# Allegro board Try it by yourself - iMX6Rex module - DIFF Pair activities.brd (continued)
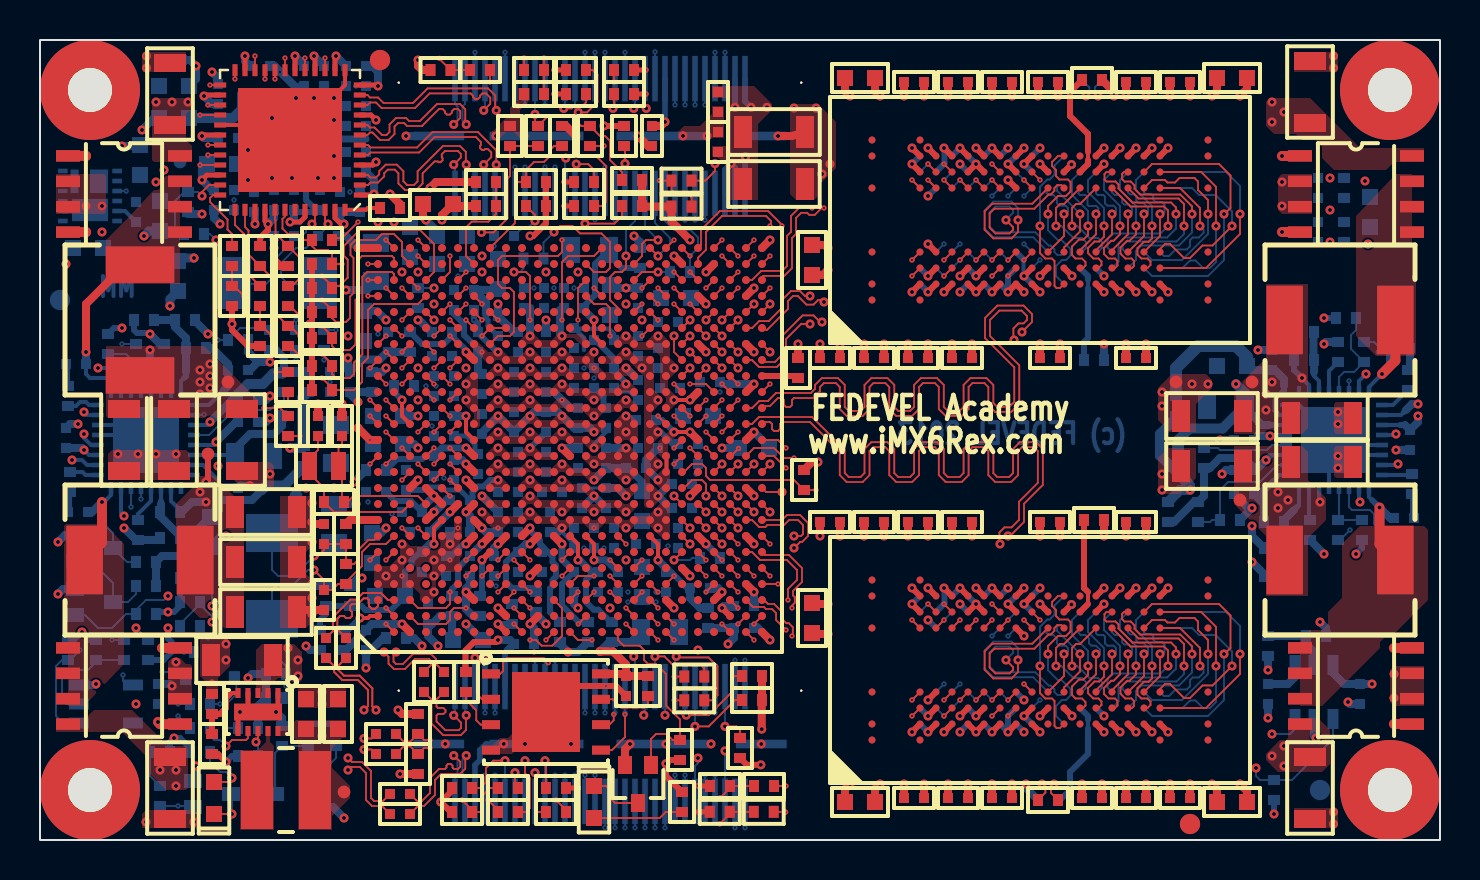
[diagram p0: board, top side]
## Routing (per net, layer and track width the routed paths; a pad name or vN(x,y) marks a point on that pad's centre or on a via; arc(x,y) is an arc through that point) (continued)
DRAM_D24: length 19.9
  TOP w0.093: U1.AE9 v1(36.5,16.4)
  L10 w0.08: v1(36.5,16.4) 36.5,16.3 36.21,16.01 36.21,15.1 36.38,14.93 36.38,14.15 36.67,13.86 36.67,12.49 41.23,7.94 41.43,7.94 41.65,8.16 41.9,8.16 42.05,8.01 42.05,7.76 41.9,7.61 41.9,7.35 42.05,7.2 42.3,7.2 42.65,7.55 42.91,7.55 43.06,7.4 43.06,7.02 43.18,6.9 43.77,6.9 44.24,7.38 44.56,7.38 45.03,6.9 45.9,6.9 v5(46.4,7.4)
  L11 w0.1: v5(46.4,7.4) v6(46.8,7)
  BOTTOM w0.093: v6(46.8,7) v5(46.4,7.4)
DRAM_D25: length 19.9
  TOP w0.093: v1(33.3,17.2) 33.3,17.8 33.1,18 32.6,18 32.2,17.6 U1.Y10
  L10 w0.08: v5(43.2,6.6) 42.86,6.94 41.9,6.94 36.47,12.36 36.47,12.72 36.38,12.81 36.38,13.8 36.18,14 36.18,14.85 35.91,15.12 35.91,16.08 36.1,16.27 36.1,16.53 35.83,16.8 33.97,16.8 33.57,17.2 v1(33.3,17.2)
  L11 w0.1: v5(43.2,6.6) v6(43.6,7)
  BOTTOM w0.093: v6(43.6,7) U3.A7
DRAM_D26: length 19.8
  TOP w0.093: U1.AE11 v1(36.5,18.8)
  L10 w0.08: v1(36.5,18.8) 36.92,18.8 37.02,18.7 38.29,18.7 38.66,18.33 38.81,18.33 39.28,17.86 39.28,17.54 39,17.27 39,16.5 39.15,16.35 39.4,16.35 39.55,16.5 39.55,17.17 39.7,17.32 39.95,17.32 40.1,17.17 40.1,16.8 40.25,16.65 40.5,16.65 40.65,16.8 40.65,17.07 40.8,17.22 41.05,17.22 42.77,15.49 42.77,14.89 44.1,13.56 44.1,13.43 44.82,12.71 44.82,12.44 45.31,11.95 45.31,11.28 45.48,11.12 45.88,11.12 46.1,10.9 46.1,10.52 45.98,10.4 45.7,10.4 45.6,10.5 v5(45.6,10.6)
  L11 w0.1: v6(46,11) v5(45.6,10.6)
  BOTTOM w0.093: v6(46,11) v5(45.6,10.6)
DRAM_D27: length 19.8
  TOP w0.093: U1.AB11 v1(34.1,18.8)
  L10 w0.08: v5(45.6,11.4) 45.6,11.93 45.78,12.12 45.78,12.28 45.6,12.47 45.6,12.73 45.8,12.93 45.8,13.2 45.65,13.35 45.35,13.35 45.05,13.05 44.78,13.05 44.63,13.2 44.63,13.47 44.95,13.79 44.95,14.06 44.8,14.21 44.53,14.21 44.32,14 44.07,14 43.02,15.04 43.02,15.58 41,17.6 40.75,17.6 40.64,17.49 40.29,17.49 40.18,17.6 39.9,17.6 38.97,18.52 38.74,18.52 38.37,18.9 37.1,18.9 36.82,19.18 34.74,19.18 34.37,18.8 v1(34.1,18.8)
  L11 w0.1: v6(45.2,11) v5(45.6,11.4)
  BOTTOM w0.093: v6(45.2,11) v5(45.6,11.4)
DRAM_D28: length 19.8
  TOP w0.093: U1.AC9 v1(34.9,16.4)
  L10 w0.08: v5(45.6,6.6) 44.77,5.78 41.12,5.78 40.4,6.5 40.4,7.75 36.07,12.08 36.07,12.56 35.8,12.83 35.8,13.7 35.12,14.38 35.12,15.04 35.28,15.19 35.28,16.03 v1(34.9,16.4)
  L11 w0.1: v5(45.6,6.6) v6(46,7)
  BOTTOM w0.093: v5(45.6,6.6) v6(46,7)
DRAM_D29: length 19.8
  TOP w0.093: U1.AD9 v1(35.7,16.4)
  L10 w0.08: v1(35.7,16.4) 35.7,16.2 35.6,16.1 35.6,15.23 35.32,14.96 35.32,14.58 36.09,13.81 36.09,12.82 36.28,12.64 36.28,12.23 40.7,7.8 40.7,6.53 40.93,6.3 41.15,6.3 41.55,6.7 41.8,6.7 41.95,6.55 41.95,6.15 42.1,6 42.35,6 42.5,6.15 42.5,6.3 42.65,6.45 42.9,6.45 43.05,6.3 43.05,6.15 43.2,6 43.75,6 43.9,6.15 43.9,6.5 44,6.6 v5(44.8,6.6)
  L11 w0.1: v5(44.8,6.6) v6(45.2,6.2)
  BOTTOM w0.093: v5(44.8,6.6) v6(45.2,6.2)
DRAM_D30: length 19.8
  TOP w0.093: U1.AD11 v1(35.7,18.8)
  L10 w0.08: v5(44,11.4) 44.9,11.4 45.05,11.55 45.05,11.85 44.9,12 44.1,12 43.97,12.13 43.97,12.76 43.6,13.13 43.6,13.7 43.1,14.2 42,14.2 41.85,14.35 41.85,14.65 42,14.8 42.4,14.8 42.57,14.98 42.57,15.36 41.18,16.75 40.95,16.75 40.6,16.4 40.1,16.4 39.8,16.1 38.98,16.1 38.52,16.56 38.52,17.03 38.22,17.33 38.22,17.58 38.52,17.87 38.52,18.12 38.24,18.4 38,18.4 37.7,18.1 37.46,18.1 37.13,18.43 36.34,18.43 35.97,18.8 v1(35.7,18.8)
  L11 w0.1: v5(44,11.4) v6(44.4,11.8)
  BOTTOM w0.093: v5(44,11.4) v6(44.4,11.8)
DRAM_D31: length 19.8
  TOP w0.093: U1.AC11 v1(34.9,18.8)
  L10 w0.08: v5(44,10.6) 44,10.87 43.22,11.64 43.22,12.8 43.3,12.88 43.3,13.6 43.15,13.75 42.85,13.75 42.7,13.6 42.7,13.2 42.55,13.05 42.25,13.05 42.1,13.2 42.1,13.7 41.6,14.2 41.6,14.5 41.28,14.83 40.79,14.83 40.6,15.02 40.6,15.4 40.77,15.58 41.47,15.58 41.63,15.73 41.63,15.98 41.47,16.13 40.42,16.13 40.14,15.84 38.86,15.84 38.2,16.5 38.2,17 37,18.2 36.29,18.2 36.06,18.43 35.54,18.43 35.17,18.8 v1(34.9,18.8)
  L11 w0.1: v6(43.6,11) v5(44,10.6)
  BOTTOM w0.093: v6(43.6,11) v5(44,10.6)
DRAM_D32: length 31.9
  TOP w0.093: U1.AA17 v1(33.3,23.6)
  L10 w0.08: v5(47.2,32.6) 46.8,32.6 46.37,33.03 46.37,33.96 46.16,34.18 45.84,34.18 45.57,33.9 44.57,33.9 43.97,34.49 43.97,34.89 43.81,35.05 43.17,35.05 43.02,34.9 43.02,34.55 42.87,34.4 39.8,34.4 39.68,34.52 39.68,34.73 39.53,34.88 39.28,34.88 39.13,34.73 39.13,33.9 38.98,33.75 38.73,33.75 38.58,33.9 38.23,33.9 33.72,29.4 33.72,27.93 33.5,27.7 33.3,27.7 32.72,28.28 32.52,28.28 32.37,28.13 32.37,27.93 33.02,27.28 33.02,27.13 32.8,26.9 32.6,26.9 31.97,27.53 31.77,27.53 31.62,27.38 31.62,27.18 32.23,26.57 32.23,26.37 32.07,26.21 32.07,25.09 32.34,24.83 32.61,24.83 32.87,24.56 32.87,24.03 v1(33.3,23.6)
  L11 w0.1: v5(47.2,32.6) v6(47.6,33)
  BOTTOM w0.093: v5(47.2,32.6) v6(47.6,33)
DRAM_D33: length 31.9
  TOP w0.093: v1(32.5,24.4) U1.AA18
  L10 w0.08: v5(48.8,33.4) 48.8,34 48.57,34.22 47.44,34.22 47.22,34.44 47.22,34.76 47.44,34.98 48.56,34.98 48.7,35.12 48.7,35.45 48.55,35.6 45.6,35.6 45.3,35.3 45,35.3 44.7,35.6 39.1,35.6 31.2,27.7 31.2,26.5 31.3,26.4 31.3,24.7 31.8,24.2 32.3,24.2 v1(32.5,24.4)
  L11 w0.1: v5(48.8,33.4) v6(49.2,33)
  BOTTOM w0.093: v6(49.2,33) v5(48.8,33.4)
DRAM_D34: length 31.9
  TOP w0.093: U1.AC18 v1(34.9,23.6)
  L10 w0.08: v1(34.9,23.6) 34.52,23.22 34.02,23.22 33.68,22.89 33.68,21.7 33.88,21.5 36.6,21.5 37.1,21 37.3,21 37.5,21.2 37.5,21.8 37.65,21.95 37.95,21.95 38.1,21.8 38.1,21.1 38.25,20.95 38.55,20.95 38.7,21.1 38.7,22 38.85,22.15 39.15,22.15 39.3,22 39.3,21.1 39.45,20.95 39.75,20.95 39.9,21.1 39.9,22 40.05,22.15 40.35,22.15 40.5,22 40.5,21.1 40.65,20.95 40.95,20.95 41.1,21.1 41.1,22 41.25,22.15 41.55,22.15 41.7,22 41.7,21.1 41.85,20.95 42.15,20.95 42.53,21.33 42.53,23.33 43.12,23.93 44.82,23.93 45.22,24.33 45.22,25.03 47.17,26.98 47.17,27.76 48,28.59 v5(48,28.6)
  L11 w0.1: v6(47.6,28.2) v5(48,28.6)
  BOTTOM w0.093: v6(47.6,28.2) v5(48,28.6)
DRAM_D35: length 31.9
  TOP w0.093: U1.AE19 v1(36.5,24.4)
  L10 w0.08: v5(48.8,29.4) 48.4,29.4 47.8,30 47,30 46.68,29.68 46.68,29.28 46.37,28.97 46.37,27.97 46.18,27.78 45.84,27.78 45.62,27.56 45.62,26.98 45.87,26.73 45.87,26.48 45.72,26.33 45.47,26.33 45.17,26.63 44.92,26.63 44.77,26.48 44.77,24.58 44.63,24.43 42.82,24.43 42.12,23.73 37.17,23.73 37.02,23.58 37.02,23.33 37.17,23.18 38.22,23.18 38.37,23.03 38.37,22.68 38.22,22.53 36.8,22.53 36.62,22.7 36.62,23.18 36.47,23.33 36.22,23.33 36.07,23.18 36.07,22.48 35.7,22.1 34.3,22.1 34.15,22.25 34.15,22.55 34.3,22.7 34.91,22.7 35.6,23.39 35.6,23.8 35.7,23.9 36.7,23.9 36.8,24 36.8,24.3 36.7,24.4 v1(36.5,24.4)
  L11 w0.1: v5(48.8,29.4) v6(49.2,29.8)
  BOTTOM w0.093: v6(49.2,29.8) U5.H7
DRAM_D36: length 31.9
  TOP w0.093: U1.Y17 v1(32.5,23.6)
  L10 w0.08: v5(49.6,32.6) 49.6,34.88 48.57,35.9 39,35.9 30.95,27.85 30.95,25.83 30.52,25.4 30.52,25.04 31.59,23.98 32.12,23.98 v1(32.5,23.6)
  L11 w0.1: v6(49.2,32.2) v5(49.6,32.6)
  BOTTOM w0.093: v6(49.2,32.2) v5(49.6,32.6)
DRAM_D37: length 31.9
  TOP w0.093: U1.Y18 31.7,24.4 v1(31.7,25.2)
  L10 w0.08: v1(31.7,25.2) 31.5,25.4 31.5,25.8 31.8,26.1 31.8,26.6 31.42,26.98 31.42,27.52 39.2,35.3 39.8,35.3 39.95,35.15 39.95,34.75 40.1,34.6 40.35,34.6 40.5,34.75 40.5,35.15 40.65,35.3 40.9,35.3 41.05,35.15 41.05,34.75 41.2,34.6 41.45,34.6 41.6,34.75 41.6,35.15 41.75,35.3 42,35.3 42.15,35.15 42.15,34.75 42.3,34.6 42.52,34.6 42.67,34.75 42.67,35.15 42.82,35.3 44.3,35.3 44.8,34.8 44.8,34.4 45.03,34.17 45.37,34.17 45.6,34.4 45.6,35.17 45.8,35.37 46.2,35.37 46.4,35.17 46.4,34.47 46.64,34.22 46.91,34.22 47.17,33.96 47.17,33.22 47.4,33 47.9,33 48,33.1 v5(48,33.4)
  L11 w0.1: v6(47.6,33.8) v5(48,33.4)
  BOTTOM w0.093: v6(47.6,33.8) v5(48,33.4)
DRAM_D38: length 31.9
  TOP w0.093: U1.AB19 v1(34.1,24.4)
  L10 w0.08: v1(34.1,24.4) 33.67,23.98 33.67,23.44 33.43,23.2 31.7,23.2 31.3,22.8 31.3,21.25 31.75,20.8 36.2,20.8 36.5,20.5 41,20.5 41.2,20.3 41.2,20.15 41.4,19.95 41.9,19.95 42.1,20.15 42.1,20.3 42.3,20.5 42.7,20.5 43,20.8 43,23 43.4,23.4 45.2,23.4 46.2,24.4 46.2,25.1 48.12,27.03 48.56,27.03 48.82,27.29 48.82,28.36 49.07,28.6 v5(49.6,28.6)
  L11 w0.1: v5(49.6,28.6) v6(50,29)
  BOTTOM w0.093: v5(49.6,28.6) v6(50,29)
DRAM_D39: length 31.9
  TOP w0.093: U1.AC19 v1(34.9,24.4)
  L10 w0.08: v5(48,29.4) 47.7,29.7 47.1,29.7 46.91,29.52 46.91,29 47.2,28.72 47.2,28.07 46.91,27.78 46.64,27.78 46.42,27.56 46.42,26.63 45.02,25.22 45.02,24.53 44.67,24.18 42.97,24.18 42.3,23.5 42.3,22.4 42.15,22.25 41.85,22.25 41.7,22.4 41.7,23.3 41.55,23.45 41.25,23.45 41.1,23.3 41.1,22.4 40.95,22.25 40.65,22.25 40.5,22.4 40.5,23.3 40.35,23.45 40.05,23.45 39.9,23.3 39.9,22.4 39.75,22.25 39.45,22.25 39.3,22.4 39.3,23.3 39.15,23.45 38.85,23.45 38.7,23.3 38.7,22.5 38.4,22.2 37.36,22.2 36.96,21.8 36.6,21.8 36.37,22.03 36.02,22.03 35.8,21.8 34.1,21.8 33.92,21.98 33.92,22.72 34.1,22.9 34.82,22.9 35.27,23.35 35.27,24.03 v1(34.9,24.4)
  L11 w0.1: v5(48,29.4) v6(48.4,29)
  BOTTOM w0.093: v5(48,29.4) v6(48.4,29)
DRAM_D40: length 18.4
  TOP w0.093: U1.Y19 v1(32.5,25.2)
  L10 w0.08: v5(46.4,29.4) 45.9,28.9 44.57,28.9 43.15,27.48 43.15,26.97 42.7,26.52 42.7,26 42.3,25.6 42,25.6 41.57,25.18 38.84,25.18 38.77,25.1 38.22,25.1 38.12,25.2 36,25.2 35.8,25.4 34.43,25.4 34.21,25.63 32.82,25.63 32.5,25.3 v1(32.5,25.2)
  L11 w0.1: v5(46.4,29.4) v6(46.8,29)
  BOTTOM w0.093: v5(46.4,29.4) v6(46.8,29)
DRAM_D41: length 18.5
  TOP w0.093: U1.AB20 v1(34.1,25.2)
  L10 w0.08: v5(44.8,28.6) 45,28.6 45.1,28.5 45.1,28.2 44.7,27.8 44.2,27.8 44.02,27.63 44.02,25.63 43.87,25.48 43.63,25.48 43.47,25.63 43.47,26.4 43.32,26.55 43.07,26.55 42.92,26.4 42.92,25.63 42.47,25.18 42.04,25.18 41.73,24.86 41.73,24.63 41.52,24.43 41.04,24.43 40.87,24.6 40.37,24.6 40.2,24.43 37.29,24.43 36.71,25 35.8,25 35.71,25.09 34.21,25.09 v1(34.1,25.2)
  L11 w0.1: v5(44.8,28.6) v6(45.2,28.2)
  BOTTOM w0.093: v5(44.8,28.6) v6(45.2,28.2)
DRAM_D42: length 18.4
  TOP w0.093: v1(33.3,26) U1.AB21
  L10 w0.08: v5(45.6,33.4) 44.4,33.4 44.12,33.11 43.88,33.11 43.57,33.43 43.44,33.43 43.29,33.57 40.26,33.57 39.38,32.7 38.3,32.7 34.4,28.8 34.4,27.09 33.31,26 v1(33.3,26)
  L11 w0.1: v6(45.2,33) v5(45.6,33.4)
  BOTTOM w0.093: v6(45.2,33) v5(45.6,33.4)
DRAM_D43: length 18.4
  TOP w0.093: U1.AD21 v1(35.7,26.8)
  L10 w0.08: v1(35.7,26.8) 35.43,26.8 35.28,26.64 35.28,25.83 35.5,25.6 36,25.6 36.15,25.45 38.22,25.45 38.34,25.33 38.66,25.33 38.73,25.4 39.3,25.4 39.5,25.6 39.5,26.6 39.65,26.75 39.9,26.75 40.05,26.6 40.05,25.55 40.2,25.4 40.45,25.4 40.6,25.55 40.6,26.3 40.75,26.45 41,26.45 41.15,26.3 41.15,25.75 41.3,25.6 41.55,25.6 41.7,25.75 41.7,26.3 41.85,26.45 42.25,26.45 42.95,27.15 42.95,28.05 44,29.1 v5(44,29.4)
  L11 w0.1: v6(43.6,29) v5(44,29.4)
  BOTTOM w0.093: v6(43.6,29) v5(44,29.4)
DRAM_D44: length 18.4
  TOP w0.093: U1.Y20 v1(32.5,26)
  L10 w0.08: v1(32.5,26) 32.93,26.43 33.46,26.43 33.67,26.64 33.67,27.08 34.2,27.6 34.2,29.05 38.05,32.9 39.23,32.9 40.23,33.9 43,33.9 43.27,34.18 43.82,34.18 44.1,33.9 44.1,33.5 v5(44,33.4)
  L11 w0.1: v5(44,33.4) v6(44.4,33.8)
  BOTTOM w0.093: v5(44,33.4) v6(44.4,33.8)
DRAM_D45: length 18.4
  TOP w0.093: U1.AA20 v1(33.3,25.2)
  L10 w0.08: v5(45.6,28.6) 45.6,28 45.4,27.8 45.02,27.8 44.82,27.6 44.82,27.13 44.7,27 44.4,27 44.3,26.9 44.3,25.23 44.07,25 43.8,25 43.5,25.3 42.96,25.3 42.79,25.14 42.79,24.86 42.36,24.43 42,24.43 41.77,24.2 37.23,24.2 36.66,24.78 33.42,24.78 33.3,24.9 v1(33.3,25.2)
  L11 w0.1: v5(45.6,28.6) v6(46,29)
  BOTTOM w0.093: v5(45.6,28.6) v6(46,29)
DRAM_D46: length 18.5
  TOP w0.093: U1.AE21 v1(36.5,26.8)
  L10 w0.08: v1(36.5,26.8) 36.5,26.4 36.6,26.3 37.4,26.3 37.6,26.1 37.6,25.9 37.4,25.7 36.3,25.7 36.07,25.93 36.07,26.96 35.81,27.22 35.47,27.22 35.3,27.4 35.3,28.5 36.2,29.4 36.71,29.4 37.4,30.09 37.4,30.6 38.8,32 39.8,32 40.4,32.6 41.7,32.6 42,32.3 42.2,32.3 42.5,32.6 v5(43.2,32.6)
  L11 w0.1: v5(43.2,32.6) v6(43.6,33)
  BOTTOM w0.093: v6(43.6,33) U5.A3
DRAM_D47: length 18.4
  TOP w0.093: v1(34.1,26) U1.AC21
  L10 w0.08: v5(45.6,32.6) 45.8,32.8 45.8,32.9 45.6,33.1 44.8,33.1 44.47,32.78 43.81,32.78 43.34,33.25 40.25,33.25 39.5,32.5 38.47,32.5 34.6,28.63 34.6,26.5 v1(34.1,26)
  L11 w0.1: v5(45.6,32.6) v6(46,33)
  BOTTOM w0.093: v5(45.6,32.6) v6(46,33)
DRAM_D48: length 17.1
  TOP w0.093: v2(46,33) v3(46.4,32.6) ; U1.AC22 v2(34.9,27.6)
  L2 w0.1: v3(34.6,27.9) v2(34.9,27.6) ; v2(46,33) v3(46.4,32.6)
  L3 w0.08: v3(34.6,27.9) 34.91,28.22 34.91,29.62 37.6,32.3 39.6,32.3 40.1,32.8 44.54,32.8 44.62,32.89 45.37,32.89 45.54,33.06 46.04,33.06 46.4,32.7 v3(46.4,32.6)
DRAM_D49: length 17.1
  TOP w0.093: U1.AE22 v2(36.5,27.6) ; v2(45.2,28.2) v3(45.6,28.6)
  L2 w0.1: v2(45.2,28.2) v3(45.6,28.6) ; v2(36.5,27.6) v3(36.8,27.3)
  L3 w0.08: v3(45.6,28.6) 45.6,28.2 45.5,28.1 45,28.1 44.82,27.93 44.82,26.48 44.7,26.35 44.45,26.35 44.3,26.5 44.3,26.97 44.12,27.14 43.92,27.14 43.75,26.97 43.75,26.55 43.6,26.4 43.35,26.4 43.2,26.55 43.2,27.45 43.05,27.6 42.8,27.6 42.65,27.45 42.65,26.55 42.5,26.4 40.23,26.4 39.33,27.3 38.93,27.3 38.66,27.58 37.87,27.58 37.72,27.43 37.72,27.2 37.52,27 37.1,27 v3(36.8,27.3)
DRAM_D50: length 17.1
  TOP w0.093: v2(45.2,29) v3(45.6,29.4) ; U1.AE24 v2(36.5,29.2)
  L2 w0.1: v2(45.2,29) v3(45.6,29.4) ; v3(36.2,28.9) v2(36.5,29.2)
  L3 w0.08: v3(36.2,28.9) 36,28.9 35.8,28.7 35.8,28.55 36.05,28.3 37.5,28.3 37.7,28.1 38.82,28.1 39.02,27.9 39.5,27.9 40.5,26.9 42,26.9 42.15,27.05 42.15,27.35 42,27.5 41.2,27.5 41.05,27.65 41.05,27.95 41.2,28.1 43.02,28.1 43.23,28.32 43.61,28.32 44.28,28.99 44.28,29.19 44.43,29.34 44.68,29.34 44.93,29.09 45.28,29.09 v3(45.6,29.4)
DRAM_D51: length 17.2
  TOP w0.093: v3(44.8,33.4) v2(44.4,33.8) ; v2(34.1,29.2) U1.AC24
  L2 w0.1: v2(44.4,33.8) v3(44.8,33.4) ; v3(33.8,28.9) v2(34.1,29.2)
  L3 w0.08: v3(33.8,28.9) v2(34.1,29.2) 34.1,30.06 37.14,33.1 38.27,33.1 39.67,34.5 43.1,34.5 43.37,34.22 44.87,34.22 45.05,34.05 45.05,33.6 44.85,33.4 v3(44.8,33.4)
DRAM_D52: length 17.2
  TOP w0.093: v2(43.6,33) U4.A7 ; U1.AB22 v2(34.1,27.6)
  L2 w0.1: v3(43.2,33.4) v2(43.6,33) ; v2(34.1,27.6) v3(34.4,27.3)
  L3 w0.08: v3(43.2,33.4) 43.2,33.9 43.05,34.05 42.75,34.05 42.6,33.9 42.6,33.5 42.45,33.35 42.15,33.35 42,33.5 42,34 41.85,34.15 40.38,34.15 39.47,33.24 39.47,33.1 39.21,32.83 37.33,32.83 34.3,29.8 34.3,27.4 v3(34.4,27.3)
DRAM_D53: length 17.2
  TOP w0.093: v3(45.6,33.4) v2(45.2,33.8) ; U1.AC23 v2(34.9,28.4)
  L2 w0.1: v2(45.2,33.8) v3(45.6,33.4) ; v3(34.6,28.7) v2(34.9,28.4)
  L3 w0.08: v3(34.6,28.7) 34.6,29.7 37.47,32.57 39.37,32.57 39.8,33 39.8,33.12 40.18,33.5 40.5,33.5 40.75,33.25 40.95,33.25 41.1,33.4 41.1,33.8 41.25,33.95 41.55,33.95 41.7,33.8 41.7,33.3 41.9,33.1 45.3,33.1 v3(45.6,33.4)
DRAM_D54: length 17.1
  TOP w0.093: U1.AD25 v2(35.7,30) ; v2(43.6,29) v3(44,29.4)
  L2 w0.1: v2(35.7,30) v3(36,29.7) ; v2(43.6,29) v3(44,29.4)
  L3 w0.08: v3(36,29.7) 36,29.6 36.15,29.45 36.55,29.45 37.1,30 37.87,30 38.1,29.77 38.7,29.77 39.1,29.37 39.1,29 39.22,28.87 39.47,28.87 39.6,29 39.6,29.25 39.75,29.4 40,29.4 40.15,29.25 40.15,29.1 40.3,28.95 40.55,28.95 40.7,29.1 40.7,29.5 40.85,29.65 41.1,29.65 41.25,29.5 41.25,28.7 41.4,28.55 41.65,28.55 41.8,28.7 41.8,29.5 41.95,29.65 42.2,29.65 42.35,29.5 42.35,28.7 42.5,28.55 42.75,28.55 42.9,28.7 42.9,29.5 43.05,29.65 43.3,29.65 43.45,29.5 43.45,29 43.6,28.85 43.85,28.85 44,29 v3(44,29.4)
DRAM_D55: length 17.1
  TOP w0.093: v2(43.6,28.2) U4.A2 ; U1.AC25 v2(34.9,29.2)
  L2 w0.1: v3(43.2,28.6) v2(43.6,28.2) ; v2(34.9,29.2) v3(35.2,29.5)
  L3 w0.08: v3(43.2,28.6) 42.95,28.35 41.11,28.35 40.72,28.74 40.48,28.74 40.3,28.57 40.3,28.32 40.75,27.87 40.75,27.63 40.57,27.45 40.33,27.45 39.66,28.13 39.24,28.13 38.89,28.48 38.89,29.3 38.74,29.45 38.45,29.45 38.3,29.3 38.3,28.5 38.15,28.35 37.85,28.35 37.7,28.5 37.7,29.6 37.55,29.75 37.25,29.75 37.1,29.6 37.1,28.8 36.95,28.65 36.65,28.65 36.5,28.8 36.5,29 36.25,29.25 36.05,29.25 35.6,29.7 35.4,29.7 v3(35.2,29.5)
DRAM_D56: length 25
  TOP w0.093: U1.AB25 v2(34.1,30) ; v2(46.8,29) v3(47.2,29.4)
  L2 w0.1: v3(33.8,29.7) v2(34.1,30) ; v2(46.8,29) v3(47.2,29.4)
  L3 w0.08: v3(47.2,29.4) 47.2,28.8 47,28.6 46.6,28.6 46.37,28.38 46.37,28.04 46.62,27.8 46.97,27.8 47.2,27.58 47.2,26.9 46.96,26.66 46.64,26.66 46.4,26.9 46.4,27.53 46.16,27.78 45.84,27.78 45.6,27.53 45.6,26.25 45.35,26 40.1,26 39.57,26.53 36.76,26.53 36.66,26.43 36.34,26.43 36.07,26.69 36.07,26.96 35.86,27.18 34.76,27.18 34.6,27.02 34.28,27.02 33.88,27.41 33.88,28.35 33.51,28.72 33.51,29.02 33.8,29.3 v3(33.8,29.7)
DRAM_D57: length 25
  TOP w0.093: v2(48.4,28.2) v3(48.8,28.6) ; v2(32.5,26.8) U1.AA21
  L2 w0.1: v2(48.4,28.2) v3(48.8,28.6) ; v2(32.5,26.8) v3(32.8,26.5)
  L3 w0.08: v3(32.8,26.5) 32.93,26.38 34.26,26.38 34.47,26.16 34.47,25.85 34.7,25.63 36.87,25.63 37.32,25.18 46.4,25.18 47.4,26.18 47.77,26.18 47.9,26.05 49.65,26.05 49.9,26.3 49.9,26.8 50.1,27 50.4,27 50.7,27.3 50.7,28.2 50.3,28.6 v3(48.8,28.6)
DRAM_D58: length 25
  TOP w0.093: U1.Y25 v2(32.5,29.2) ; v2(49.2,33) v3(49.6,32.6)
  L2 w0.1: v3(32.2,29.5) v2(32.5,29.2) ; v2(49.2,33) v3(49.6,32.6)
  L3 w0.08: v3(32.2,29.5) 32.53,29.5 32.87,29.84 32.87,30.68 36.7,34.5 37.8,34.5 39.4,36.1 47.48,36.1 48.82,34.76 48.82,33.38 v3(49.6,32.6)
DRAM_D59: length 25
  TOP w0.093: v2(47.6,33) v3(48,32.6) ; v2(31.7,27.6) U1.Y22
  L2 w0.1: v2(31.7,27.6) v3(32,27.3) ; v2(47.6,33) v3(48,32.6)
  L3 w0.08: v3(48,32.6) 47.2,33.4 47.2,35.05 46.75,35.5 39.5,35.5 37.9,33.9 36.94,33.9 33.3,30.26 33.3,29.5 32.31,28.52 32.31,27.9 32.51,27.7 32.51,27.51 32.3,27.3 v3(32,27.3)
DRAM_D60: length 25
  TOP w0.093: v2(33.3,27.6) U1.AB23 ; v2(49.2,29) v3(49.6,29.4)
  L2 w0.1: v2(49.2,29) v3(49.6,29.4) ; v2(33.3,27.6) v3(33.6,27.9)
  L3 w0.08: v3(49.6,29.4) 49.8,29.6 50.2,29.6 50.45,29.35 50.45,29.15 50.18,28.89 47.78,28.89 47.6,28.7 47.6,28 48,27.6 48,27.2 47.5,26.7 47.3,26.7 47,26.4 46.59,26.4 45.89,25.7 40,25.7 39.4,26.3 38.3,26.3 38.1,26.1 38.1,25.8 37.95,25.65 37.65,25.65 37.07,26.22 35.74,26.22 35.16,26.8 34.2,26.8 33.6,27.4 v3(33.6,27.9)
DRAM_D61: length 25
  TOP w0.093: v2(32.5,28.4) U1.AA23 ; v2(47.6,28.2) v3(48,28.6)
  L2 w0.1: v2(32.5,28.4) v3(32.8,28.1) ; v2(47.6,28.2) v3(48,28.6)
  L3 w0.08: v3(48,28.6) 48.77,27.83 49.36,27.83 49.62,27.56 49.62,26.43 49.45,26.25 49.15,26.25 49,26.4 49,26.8 48.85,26.95 48.55,26.95 48.4,26.8 48.4,26.45 48.28,26.33 48.1,26.33 47.93,26.5 47.4,26.5 47.05,26.15 46.85,26.15 46.12,25.43 37.5,25.43 36.91,26.01 35.42,26.01 34.84,26.59 34.04,26.59 33.4,27.23 33.4,27.5 v3(32.8,28.1)
DRAM_D62: length 25
  TOP w0.093: v3(48,33.4) v2(47.6,33.8) ; v2(31.7,28.4) U1.Y23
  L2 w0.1: v2(47.6,33.8) v3(48,33.4) ; v2(31.7,28.4) v3(32,28.1)
  L3 w0.08: v3(32,28.1) 31.8,28.1 31.65,28.25 31.65,28.65 31.8,28.8 32.2,28.8 33.1,29.7 33.1,30.49 36.81,34.2 37.87,34.2 39.47,35.8 47.3,35.8 48,35.1 48,34.4 47.7,34.1 47.7,33.6 47.9,33.4 v3(48,33.4)
DRAM_D63: length 25
  TOP w0.093: U1.W25 v2(31.7,30) ; v3(49.6,33.4) v2(50,33)
  L2 w0.1: v3(49.6,33.4) v2(50,33) ; v2(31.7,30) v3(32,30.3)
  L3 w0.08: v3(32,30.3) 32.09,30.3 36.59,34.8 37.7,34.8 39.3,36.4 48.25,36.4 48.5,36.15 48.5,35.5 48.7,35.3 49.4,35.3 49.6,35.1 49.6,34.47 49.75,34.32 49.75,34.08 49.6,33.93 v3(49.6,33.4)
DRAM_DQM0: length 17.3
  TOP w0.093: v2(46,7) v3(46.4,7.4) ; U1.AC3 v2(34.9,11.6)
  L2 w0.1: v3(34.6,11.3) v2(34.9,11.6) ; v2(46,7) v3(46.4,7.4)
  L3 w0.08: v3(34.6,11.3) 34.6,11.27 35.2,10.67 35.45,10.67 36.12,9.99 36.12,9.84 36.34,9.63 36.49,9.63 37.12,9 38.7,9 39.6,8.1 39.6,7.3 39.8,7.1 41.75,7.1 41.9,6.95 42.3,6.95 42.92,7.58 44.64,7.58 44.81,7.4 45.2,7.4 45.48,7.69 45.72,7.69 45.88,7.52 45.88,7.22 46,7.1 46.2,7.1 46.4,7.3 v3(46.4,7.4)
DRAM_DQM1: length 27.6
  TOP w0.093: v3(47.2,10.6) v2(47.6,11) ; U1.AC6 v2(34.9,14)
  L2 w0.1: v3(34.6,14.3) v2(34.9,14) ; v3(47.2,10.6) v2(47.6,11)
  L3 w0.08: v3(47.2,10.6) 47.5,10.6 47.71,10.82 47.71,11.5 47.5,11.71 47.5,11.97 47.97,12.44 47.97,12.71 48.24,12.98 49.36,12.98 49.52,12.82 49.68,12.82 49.84,12.98 50.2,12.98 50.42,12.75 50.42,12.6 50.57,12.45 50.82,12.45 50.98,12.6 50.98,13.73 50.65,14.05 48.91,14.05 48.46,13.6 47.6,13.6 47.15,14.05 39.05,14.05 38.53,13.53 37.32,13.53 37.05,13.8 36.82,13.8 36.4,14.23 35.72,14.23 35.3,13.8 34.8,13.8 34.6,14 v3(34.6,14.3)
DRAM_DQM2: length 28.5
  TOP w0.093: U1.AB8 v1(34.1,15.6)
  L10 w0.08: v5(48,6.6) 48.05,6.65 48.3,6.65 48.45,6.5 48.45,6.25 48.3,6.1 47.7,6.1 47.17,5.58 47.17,4.63 46.35,3.8 40.3,3.8 39.3,4.8 39.3,6.5 39.15,6.65 38.85,6.65 38.7,6.5 38.7,6.1 38.55,5.95 38.25,5.95 37.1,7.1 37.1,8.87 36.1,9.87 36.1,10.62 34.9,11.82 34.9,13.3 34.2,14 34.2,14.37 34.47,14.64 34.47,14.96 34.1,15.33 v1(34.1,15.6)
  L11 w0.1: v6(47.6,7) v5(48,6.6)
  BOTTOM w0.093: U3.E7 v6(47.6,7)
DRAM_DQM3: length 19.8
  TOP w0.093: v1(37.1,17.4) 36.3,17.4 U1.AE10
  L10 w0.08: v1(37.1,17.4) 37.4,17.4 38,16.8 38,16.3 38.72,15.58 40.16,15.58 40.37,15.36 40.37,14.78 40.95,14.2 41.25,14.2 41.8,13.65 41.8,13.15 42.15,12.8 42.74,12.8 43,12.54 43,11.5 43.71,10.79 43.71,10.48 44.1,10.1 44.6,10.1 44.75,10.25 44.75,10.85 44.9,11 45.15,11 45.3,10.85 45.3,10.2 45.5,10 46.1,10 46.5,9.6 46.8,9.6 47,9.8 47,10.3 46.7,10.6 v5(46.4,10.6)
  L11 w0.1: v5(46.4,10.6) v6(46.8,11)
  BOTTOM w0.093: v5(46.4,10.6) v6(46.8,11)
DRAM_DQM4: length 31.9
  TOP w0.093: U1.AB18 v1(34.1,23.6)
  L10 w0.08: v5(47.2,29.4) v6(47.6,29) 48.1,29 48.4,28.7 48.4,28.06 48.02,27.68 48.02,27.29 47.76,27.03 47.62,27.03 46,25.4 46,24.6 45.07,23.68 43.27,23.68 42.77,23.17 42.77,21.17 42.35,20.75 36.75,20.75 36.4,21.1 33.67,21.1 33.45,21.32 33.45,22.5 33.3,22.65 33.05,22.65 32.9,22.5 32.9,21.2 32.75,21.05 32.25,21.05 32.1,21.2 32.1,22.8 32.3,23 33.51,23 34.1,23.59 v1(34.1,23.6)
  L11 w0.1: v5(47.2,29.4) v6(47.6,29)
  BOTTOM w0.093: v5(47.2,29.4) v6(47.6,29)
DRAM_DQM5: length 18.4
  TOP w0.093: U1.AC20 v1(34.9,26)
  L10 w0.08: v5(46.4,32.6) 46.11,32.32 45.18,32.32 44.92,32.57 43.63,32.57 43.28,32.93 40.32,32.93 39.7,32.3 38.7,32.3 36.9,30.5 36.9,29.87 36.66,29.63 36.02,29.63 34.9,28.5 34.9,27.22 35.1,27.03 35.1,26.76 34.9,26.56 v1(34.9,26)
  L11 w0.1: v5(46.4,32.6) v6(46.8,33)
  BOTTOM w0.093: v5(46.4,32.6) v6(46.8,33)
DRAM_DQM6: length 17.1
  TOP w0.093: U1.AD24 v2(35.7,29.2) ; v2(46,29) v3(46.4,29.4)
  L2 w0.1: v2(46,29) v3(46.4,29.4) ; v3(35.4,28.9) v2(35.7,29.2)
  L3 w0.08: v3(46.4,29.4) 46.5,29.3 46.5,28.9 46.3,28.7 46.07,28.7 45.88,28.89 45.48,28.89 45,28.4 44.73,28.4 44.56,28.58 44.24,28.58 44,28.33 44,28 43.87,27.87 42.57,27.87 42.4,27.7 42.4,26.9 42.15,26.65 40.35,26.65 39.4,27.6 38.98,27.6 38.75,27.84 37.4,27.84 37.15,27.59 36.5,27.59 36.09,27.99 35.71,27.99 35.4,28.3 v3(35.4,28.9)
DRAM_DQM7: length 25
  TOP w0.093: v2(31.7,26.8) U1.Y21 ; v2(46.8,33) v3(47.2,32.6)
  L2 w0.1: v2(31.7,26.8) v3(32,26.5) ; v2(46.8,33) v3(47.2,32.6)
  L3 w0.08: v3(47.2,32.6) 47.2,33 47,33.2 46.6,33.2 46.4,33.4 46.4,33.93 46.58,34.12 46.58,34.28 46.4,34.47 46.4,34.8 46,35.2 39.6,35.2 38,33.6 37.02,33.6 33.51,30.1 33.51,29.32 32.51,28.32 32.51,27.98 33,27.5 33,27.2 32.3,26.5 v3(32,26.5)
DRAM_DQS0_N: length 17.4
  TOP w0.09: U1.AD3 35.64,11.66 36.19,11.66 36.3,11.55 36.6,11.55 36.8,11.35 36.8,11 v2(37.3,10.5) ; v3(44.8,10.6) v2(45.2,11)
  L2 w0.1: v2(37.3,10.5) v3(37.6,10.8) ; v3(44.8,10.6) v2(45.2,11)
  L3 w0.085: v3(37.6,10.8) 37.62,10.8 38.1,11.27 38.71,11.27 39.03,10.95 39.94,10.95 40.58,10.31 40.58,9.8 40.73,9.65 41.03,9.65 41.18,9.8 41.18,10.56 41.49,10.87 42.03,10.87 42.34,10.56 42.34,9.7 42.49,9.55 42.79,9.55 42.94,9.7 42.94,10.02 43.25,10.33 43.79,10.33 44.1,10.02 44.1,9.62 44.3,9.42 44.6,9.42 44.8,9.62 44.8,9.8 45.2,10.2 45.2,10.4 45,10.6 v3(44.8,10.6)
DRAM_DQS0_P: length 17.4
  TOP w0.09: v3(45.6,10.6) v2(46,11) ; U1.AE3 36.2,12 36.4,11.8 36.7,11.8 37.05,11.45 37.05,11.1 37.31,10.84 37.44,10.84 37.64,10.64 37.64,10.24 v2(37.6,10.2)
  L2 w0.1: v3(45.6,10.6) v2(46,11) ; v2(37.6,10.2) v3(37.9,10.5)
  L3 w0.085: v3(37.9,10.5) 37.97,10.57 37.97,10.75 38.21,10.99 38.59,10.99 38.92,10.67 39.82,10.67 40.3,10.19 40.3,9.68 40.61,9.37 41.15,9.37 41.46,9.68 41.46,10.44 41.61,10.59 41.91,10.59 42.06,10.44 42.06,9.58 42.37,9.27 42.91,9.27 43.22,9.58 43.22,9.9 43.37,10.05 43.67,10.05 43.82,9.9 43.82,9.5 44.18,9.14 44.72,9.14 45.08,9.5 45.08,9.68 45.6,10.2 v3(45.6,10.6)
DRAM_DQS1_N: length 27.6
  TOP w0.09: v2(48.4,7) v3(48.8,7.4) ; U1.AE6 36.25,14.25 37.45,14.25 38.1,13.6 38.1,12.9 37.65,12.45 37.65,12.23 37.74,12.14 37.74,11.86 37.6,11.72 v2(37.6,11.6)
  L2 w0.1: v2(48.4,7) v3(48.8,7.4) ; v3(37.3,11.3) v2(37.6,11.6)
  L3 w0.085: v3(48.8,7.4) 48.5,7.4 48.4,7.5 48.4,7.95 48.77,8.32 49.22,8.32 49.63,8.74 49.63,9.46 49.28,9.82 47.92,9.82 47.62,9.52 47.62,8.82 47.45,8.65 47.15,8.65 47,8.8 47,9.67 46.69,9.98 46.15,9.98 45.84,9.67 45.84,9.1 45.32,8.58 42.5,8.58 42,8.08 40.8,8.08 40.38,8.5 40.38,8.72 39,10.1 37.33,10.1 36.84,10.59 36.84,11.17 36.97,11.3 v3(37.3,11.3)
DRAM_DQS1_P: length 27.6
  TOP w0.09: v2(37.4,12) 37.4,12.55 37.85,13 37.85,13.5 37.35,14 36,14 35.6,14.4 U1.AD6 ; v2(47.6,7) v3(48,7.4)
  L2 w0.1: v3(37.1,11.7) v2(37.4,12) ; v2(47.6,7) v3(48,7.4)
  L3 w0.085: v3(48,7.4) 48.12,7.52 48.12,8.07 48.65,8.6 49.1,8.6 49.35,8.85 49.35,9.35 49.16,9.54 48.03,9.54 47.9,9.4 47.9,8.7 47.57,8.37 47.03,8.37 46.72,8.68 46.72,9.55 46.57,9.7 46.27,9.7 46.12,9.55 46.12,8.98 45.44,8.3 42.62,8.3 42.12,7.8 40.68,7.8 40.1,8.38 40.1,8.6 38.88,9.82 37.22,9.82 36.56,10.48 36.56,11.28 36.98,11.7 v3(37.1,11.7)